# Allegro board rt1064_som_wifi.brd (continued)
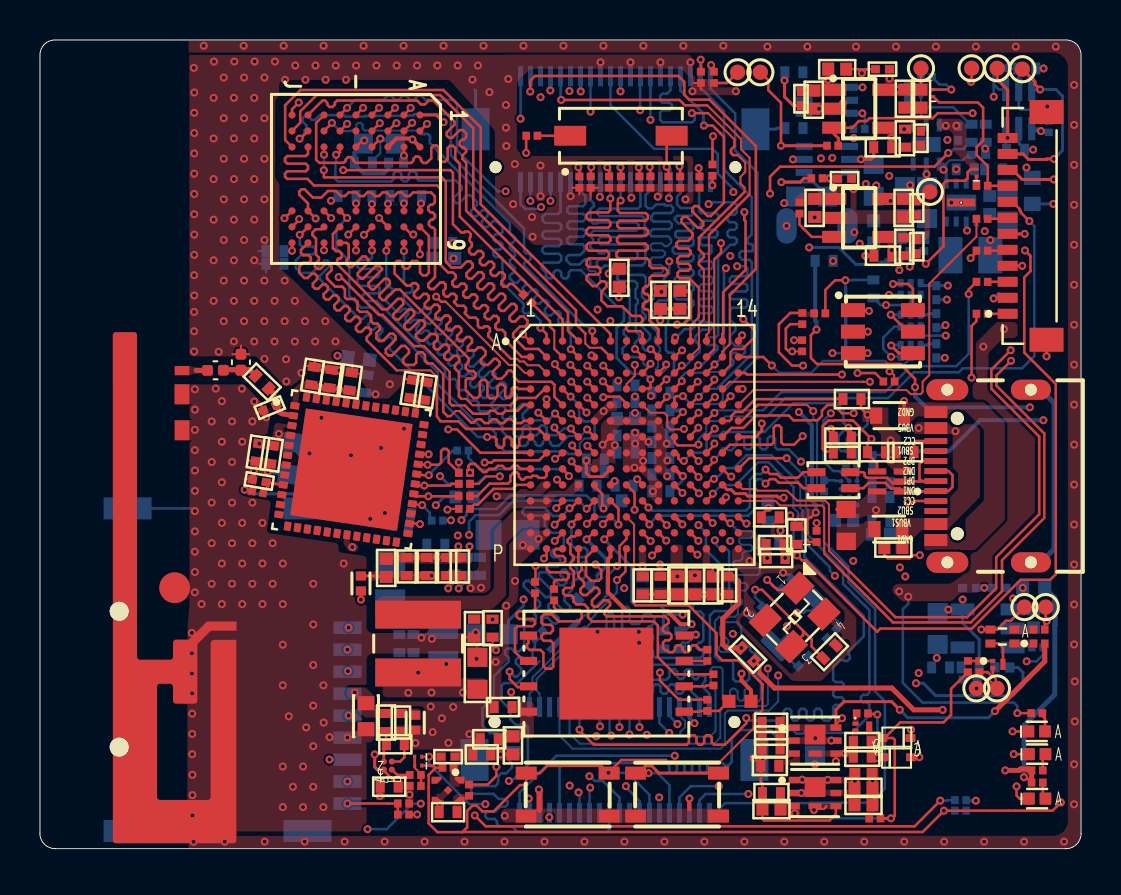
[diagram p0: board, top side]
## Routing (per net, layer and track width the routed paths; a pad name or vN(x,y) marks a point on that pad's centre or on a via; arc(x,y) is an arc through that point) (continued)
USB_OTG1_DN: length 11
  TOP w0.127: v1(36.31,18.27) 36.53,18.49 36.79,18.49 36.97,18.31 37.93,18.31 38.21,18.04 L6.2
  TOP w0.147: v1(30.5,16.23) 30.5,16.28 30.17,16.61 U3.M8
  BOTTOM w0.127: v1(36.31,18.27) 36.08,18.49 35.9,18.49 35.78,18.37 35.78,17 35.44,16.66 30.88,16.66 v1(30.5,16.23)
USB_OTG1_DP: length 10.9
  TOP w0.127: v1(30.45,17.07) 30.45,17.11 U3.L8 ; L6.3 38.21,18.84 37.93,18.57 37.07,18.57 36.89,18.75 36.53,18.75 v1(36.31,18.97)
  BOTTOM w0.127: v1(30.45,17.07) 30.62,16.92 35.33,16.92 35.52,17.1 35.52,18.47 35.8,18.75 36.08,18.75 v1(36.31,18.97)
USB_OTG1_ID: length 13.8
  TOP w0.127: v1(32.22,19.4) 32.21,19.4 32.2,19.39 32.08,19.39 31.95,19.52 31.95,19.7 31.84,19.81 U3.H10
  TOP w0.15: R49.2 40.6,20.85 40.51,20.94 40.51,20.99 40.46,21.03 40.46,21.07 v1(40.46,21.07)
  BOTTOM w0.127: Q5.1 40.09,19.9 39.96,20.02 39.96,20.66 ; 39.85,22.3 37.7,22.3 36.26,20.86 35.66,20.86 35.65,20.85 34.17,20.85 33.99,20.67 33.93,20.67 33.91,20.66 33.54,20.66 33.36,20.47 33.36,19.97 33.2,19.82 32.63,19.82 v1(32.22,19.4)
  BOTTOM w0.15: 39.85,22.3 40.2,21.95 40.2,21.33 v1(40.46,21.07) 40.46,20.94 40.24,20.94 39.96,20.66
USB_OTG2_DN: length 10.8
  TOP w0.119: v1(28.87,14.14) 29,14.27 29,15.15 29.35,15.5 U3.N7
  BOTTOM w0.102: U24.1 26.67,10.83 26.34,10.5 26.34,10.32 26.21,10.13 24.65,8.57 24.65,7.91 24.5,7.77 J6.3
  BOTTOM w0.119: v1(28.87,14.14) 28.36,13.62 28.36,12.66 27.53,11.84 27.53,11.79 27.41,11.67 27.23,11.67 U24.1
USB_OTG2_DP: length 9.8
  TOP w0.119: U3.P7 29.3,14.96 29.3,13.87 v1(28.87,13.44)
  BOTTOM w0.102: J6.5 25,7.77 24.85,7.91 24.85,8.49 26.37,10 26.51,10.2 27.02,10.72 27.02,10.76
  BOTTOM w0.119: 27.02,10.76 27.59,11.32 27.59,11.5 27.78,11.69 27.78,11.73 28.87,12.83 28.87,12.89 28.87,12.89 28.87,13.19 28.87,13.19 v1(28.87,13.44)
USER_BUTTON: length 52.6
  TOP w0.127: U3.L6 28.95,17.01 v1(28.95,16.22) ; v1(45.05,2.4) 43.76,1.12 22.3,1.12 v1(21.76,1.66)
  SIG1 w0.102: v1(21.76,1.66) 21.12,2.3 21.12,6.46 21.57,6.91 21.57,8.74 21.25,9.06 21.25,11.37 22.32,12.44 22.66,12.78 22.66,15.63 22.22,16.08 21.46,16.08 v1(21.09,16.44)
  BOTTOM w0.127: v1(45.05,2.4) 45.4,2.4 45.43,2.42 R42.2 ; v1(21.09,16.44) 21.34,16.69 21.34,16.84 21.5,17 22.86,17 23.53,17.68 27.35,17.68 27.74,17.28 27.74,16.69 27.83,16.61 28.56,16.61 v1(28.95,16.22)
USER_LED: length 60.4
  TOP w0.127: 49.49,4.74 D5.C v1(48.73,4.73) ; U3.L5 v1(27.36,17.01)
  SIG1 w0.102: 22.24,12.69 22.44,12.88 22.44,13.18 22.43,13.32 22.22,13.54
  SIG1 w0.11: 43.1,0.84 19.22,0.84
  SIG1 w0.127: 22.22,13.54 22.13,13.62 22.13,15.4 21.83,15.7 v1(21.47,15.7) ; 19.22,0.84 18.08,1.98 18.08,2.92 18.42,3.25 20.57,3.25 20.88,3.57 20.88,6.69 21.05,6.86 21.05,7.41 20.77,7.7 20.77,11.35 22.1,12.69 22.24,12.69 ; v1(48.73,4.73) 48.73,4.38 48.73,4.37 48.73,3.67 48.37,3.3 46.47,3.3 46.12,2.95 46.12,1.57 45.39,0.84 43.9,0.84 43.9,0.84 43.1,0.84 43.1,0.84
  BOTTOM w0.127: v1(21.47,15.7) 21.47,16.36 21.8,16.69 22.97,16.69 23.7,17.42 26.33,17.42 26.34,17.43 26.66,17.43 26.67,17.42 26.96,17.42 v1(27.36,17.01)
VLDO_3V3: length 5.6
  TOP w0.127: C37.1 44.08,32.42 TP31.1
  SIG1 w0.2: v1(39.69,29.41) 39.69,30.46 41.65,32.42 v1(42.56,32.42)
VSD_3V3: length 1.6
  TOP w0.127: 17.21,4.36 17.21,5.1 C121.1 17.32,5.24 FB3.1
WDOG_B: length 22.2
  TOP w0.127: v1(45.45,34.82) 44.77,34.13 37.83,34.13 37.83,34.13 37.03,34.13 36.53,33.63 v1(36.53,32.78) ; U3.D14 v1(35.16,23.01)
  SIG1 w0.127: v1(36.53,32.78) 36.53,24.74 35.16,23.37 v1(35.16,23.01)
  BOTTOM w0.127: C246.1 46.55,35.36 46.2,35.01 45.73,35.01 45.53,34.82 v1(45.45,34.82)
WL_EN_RST: length 1.5
  TOP w0.127: R537.2 11.17,17.87 11.38,18.08 11.38,18.28 11.33,18.33
  TOP w0.15: U27.9 11.33,18.33 C251.2
N3228024: length 12.2
  TOP w0.127: R87.2 39.65,19.88 39.29,19.88 39.17,20 39.17,21.15 39.44,21.42 39.73,21.42 39.74,21.44 40.56,21.44 40.57,21.43 40.69,21.43 v1(41.61,20.51) 41.41,20.31 R536.1 41.41,19.77 41.89,19.28 U19.4 ; J2.4 43.82,17.4 43.77,17.35 v1(43.42,17.35)
  SIG1 w0.127: v1(41.61,20.51) 41.61,19.91 43.7,17.82 43.7,17.64 v1(43.42,17.35)
N3228437: length 0.9
  BOTTOM w0.127: U11.A3 39.8,18.4 39.76,18.43 R86.1
N3229246: length 2.4
  TOP w0.127: U20.1 32.99,6.85 33.03,6.89 R101.2 33.98,6.89 R97.2
N3229250: length 6.2
  TOP w0.127: R105.2 24.78,11.99 24.66,11.88 23.97,11.88 23.85,11.77 23.85,11.61 23.97,11.5 24.66,11.5 24.78,11.39 24.78,11.26 24.65,11.13 23.9,11.13 23.77,11 23.77,9.84 24.22,9.39 U20.6
N3232179: length 8
  TOP w0.127: D13.C 44.71,37.64 45,37.35 46.93,37.35 47.2,37.08 47.2,35.44 46.87,35.11 46.87,34.71 47.43,34.16 R106.2 48.41,33.18 J4.9
N3234922: length 1
  TOP w0.127: U5.B1 17.88,3.69 R35.2
N3234942: length 1.6
  TOP w0.102: D10.A 18.75,4.05 19.06,3.73 R35.1
  TOP w0.127: R34.2 R35.1 ; D10.A D9.A
N3235464: length 3.1
  TOP w0.127: R78.1 R77.2 17.4,2.26 17.4,2.26 v1(15.39,2.26)
N3236913: length 20.6
  TOP w0.127: R74.2 23.66,28.26 23.5,28.26 23.36,28.13 23.2,28.13 23.09,28.24 23.09,28.4 23.26,28.57 23.26,28.72 23.15,28.83 22.99,28.83 22.82,28.67 22.66,28.67 22.55,28.78 22.55,28.93 22.72,29.1 22.72,29.26 22.61,29.37 22.45,29.37 22.28,29.2 22.13,29.2 22.01,29.32 22.01,29.47 22.18,29.64 22.18,29.8 22.07,29.91 21.91,29.91 21.74,29.74 21.59,29.74 21.47,29.86 21.47,30.01 21.61,30.15 21.61,30.31 21.51,30.41 21.51,30.57 21.55,30.61 21.55,30.77 21.44,30.88 21.28,30.88 21.24,30.84 21.08,30.84 20.66,31.26 20.66,33.83 20.54,33.96 v1(15.18,33.96) ; U9.F2 v1(15.37,36.28)
  SIG1 w0.127: v1(15.37,36.28) 15.37,35.72 15.26,35.61 14.54,35.61 14.43,35.5 14.43,35.34 14.54,35.23 15.26,35.23 15.51,34.98 15.51,34.64 15.18,34.31 v1(15.18,33.96)
N3241258: length 1.6
  TOP w0.127: R56.2 SW3.1
N3244969: length 6.6
  TOP w0.127: U3.F13 34.51,21.41 34.6,21.5 34.6,21.66 34.8,21.86 35.15,21.86 35.79,22.5 39.79,22.5 39.79,22.5 R51.1
N3245357: length 7.7
  TOP w0.102: R544.1 21.52,18.26 21.96,18.26 22.33,18.63 v1(23.01,18.63)
  TOP w0.127: U3.J4 26.6,19.35 v1(26.6,19.39)
  SIG1 w0.102: 25.87,19.11 26.15,19.39 v1(26.6,19.39)
  SIG1 w0.127: v1(23.01,18.63) 23.49,19.11 25.87,19.11
  BOTTOM w0.127: v1(23.01,18.63) 22.26,18.63 21.88,18.25 R52.2
N3245365: length 4
  TOP w0.127: U3.J1 24.05,19.01 23.9,19.16 23.67,19.16 23.52,19.01 23.29,19.01 23.14,19.16 22.91,19.16 22.76,19.01 22.48,19.01 22.33,18.85 22.18,18.85 21.77,19.25 21.54,19.25 21.45,19.17 21.45,18.88 v1(21.52,18.81)
N3251546: length 11.7
  TOP w0.127: U3.P9 30.95,14.99 v1(30.63,14.67)
  SIG1 w0.127: v1(30.63,14.67) 31.4,14.67 32.34,13.74 32.34,13.41 32.58,13.17 33.45,13.17 34.33,12.28 36.19,12.28 37.33,11.14 v1(37.38,11.14)
  BOTTOM w0.127: C73.1 37.88,9.09 ; 37.88,9.09 37.88,9.07 ; 37.88,9.09 X2.2 37.38,10.69 v1(37.38,11.14)
N3251555: length 11.6
  TOP w0.127: U3.N9 v1(31.34,15.42)
  SIG1 w0.127: 31.59,15.17 32.62,14.14 33.02,14.14 34.61,12.56 37.12,12.56 37.76,11.91 37.77,11.91 v1(37.88,11.81)
  SIG1 w0.13: 31.59,15.17 31.58,15.17 v1(31.34,15.42)
  BOTTOM w0.127: C72.1 39.95,11.09 39.95,11.33 X2.1 38.6,11.91 38.33,11.91 38.23,11.81 v1(37.88,11.81)
N3251584: length 7.6
  TOP w0.127: X1.1 37.83,12.96 36.91,12.96 36.82,13.05 36.79,13.05 36.67,13.17 36.67,13.17 v1(36.39,13.45)
  TOP w0.13: U3.N11 v1(32.95,15.41)
  SIG1 w0.127: 32.93,15.43 v1(32.95,15.41) 33.2,15.15 33.22,15.15 33.35,15.03 34.25,15.03 35.82,13.45 v1(36.39,13.45)
  BOTTOM w0.127: C71.1 37.03,12.91 36.93,12.91 v1(36.39,13.45)
N3251626: length 11.2
  TOP w0.127: R46.1 38.61,10.11 38.61,10.48 38.19,10.9 ; U3.P11 32.57,15.01 32.78,14.8 32.8,14.8 32.88,14.71 v1(32.9,14.71) ; v1(35.79,12.96) 36.13,12.96 38.19,10.9 ; 38.19,10.9 38.19,10.7 X1.3
  SIG1 w0.127: v1(35.79,12.96) 35.35,12.96 33.6,14.72 33.19,14.72 33.19,14.71 v1(32.9,14.71)
  BOTTOM w0.127: C70.1 36.21,12.17 35.79,12.59 v1(35.79,12.96)
N3253889: length 0.5
  TOP w0.127: R41.1 38.49,15.35 D11.C
N3260107: length 1.8
  TOP w0.102: 43.02,24.77 43,24.77 42.98,24.8
  TOP w0.15: D16.6 42.98,24.8 v1(42.59,25.18)
  BOTTOM w0.15: v1(42.59,25.18) 42.62,25.21 U23.4
N3260173: length 2
  TOP w0.127: 43.42,25.88 v1(42.57,26.72)
  TOP w0.15: D16.4 43.42,25.88
  BOTTOM w0.15: U22.4 v1(42.57,26.72)
N3260253: length 2.6
  TOP w0.127: 42.87,28.26 43.44,28.26 43.68,28.02 43.68,27.06
  TOP w0.15: v1(42.69,28.26) 42.87,28.26 ; 43.68,27.06 D16.2
  BOTTOM w0.15: U21.4 42.73,28.31 v1(42.69,28.26)
N3260286: length 1.4
  TOP w0.127: D16.1 41.43,26.95 41.47,26.91 v1(41.48,26.91)
  BOTTOM w0.102: v1(41.48,26.91) 41.47,26.91 41.43,26.95 R128.2
N3260301: length 1.3
  TOP w0.127: D16.3 v1(41.43,25.88)
  BOTTOM w0.102: R129.1 v1(41.43,25.88)
N3260305: length 1.3
  TOP w0.15: D16.5 v1(41.41,24.8)
  BOTTOM w0.102: R130.1 v1(41.41,24.8)
N3260493: length 2.5
  TOP w0.127: U6.3 38.62,30.62 38,31.23 R37.2
N3285554: length 3
  TOP w0.127: v1(41.9,6.71) 41.87,6.75 41.45,6.75 R6.1
  TOP w0.15: v1(41.91,4.54) 41.94,4.57 D3.C
  BOTTOM w0.127: v1(41.9,6.71) 41.9,6.36 41.91,6.35 v1(41.91,4.54)
N3285558: length 13.8
  TOP w0.102: 39.27,2.06 39.35,2.14 39.35,2.1 39.24,1.98 38.78,1.98 v1(38.73,1.93)
  TOP w0.127: Q1.4 v1(39.83,4.38) ; Q2.4 39.83,1.72 39.51,1.41 36.23,1.41 36.14,1.5 36.14,1.97 C7.1 ; D1.C 43.59,5.56 v1(43.59,5.95)
  SIG1 w0.127: v1(40.28,4.77) 41.05,5.54 43.18,5.54 v1(43.59,5.95) ; v1(38.73,1.93) 39.54,1.93 40.08,2.47 40.08,4.12 v1(39.83,4.38)
N3285956: length 1.2
  TOP w0.13: R12.2 R13.1 Q4.1
N3286038: length 1.5
  TOP w0.13: 47.56,10.27 47.98,10.27 48.19,10.06 Q4.3
N3286190: length 2.5
  BOTTOM w0.127: D8.C 45.7,37.1 46.55,36.26 C246.2
N3286273: length 1.3
  BOTTOM w0.102: C19.1 43.91,38.16 D6.C R25.2
N3296758: length 2.3
  BOTTOM w0.127: U17.5 v1(37.68,34.5) ; 40.26,36.8 U18.3 v1(41.15,36.8) 41.15,36.75 41.27,36.63 R122.2
N3361650: length 2.1
  TOP w0.102: U27.2 12.64,21.68 arc(12.64,21.68) 12.64,21.68
  TOP w0.254: 12.64,21.68 12.13,21.77 arc(12.02,21.82) 11.94,21.92 C154.2 11.74,22.41 arc(11.7,22.54) 11.7,22.66 arc(11.69,22.77) 11.63,22.86 L16.1
N3365178: length 1.6
  TOP w0.127: R535.1 43.74,20.31 43.83,20.4 J2.10
N3365194: length 0.7
  TOP w0.15: L7.2 v1(43.24,22.41)
N3447898: length 5.2
  TOP w0.127: U3.J2 25.35,18.66 25.25,18.56 24.97,18.56 24.87,18.66 24.64,18.66 24.57,18.59 24.33,18.59 24.22,18.48 24.09,18.48 23.97,18.61 23.97,18.74 23.88,18.83 23.7,18.83 23.54,18.66 23.54,18.39 23.43,18.27 23.17,18.27 23.16,18.27 22.5,18.27 21.87,17.64 R539.1
N3448052: length 7.3
  TOP w0.127: U3.H2 24.98,19.44 22.72,19.44 22.61,19.32 v1(22.25,19.32)
  SIG1 w0.102: v1(20.57,16.43) 20.92,16.79 20.94,16.79 21.89,17.74 21.89,18.96 v1(22.25,19.32)
  BOTTOM w0.102: v1(20.57,16.43) 20.55,16.42 R540.1
N3448060: length 3.5
  TOP w0.127: 24.55,18.22 U3.K1 23.85,18.21 23.65,18.01 22.7,18.01 21.91,17.22 21.72,17.22 21.52,17.02 R541.1
N3448078: length 6.3
  TOP w0.127: v1(26.47,18.64) 26.47,18.68 U3.J3
  BOTTOM w0.127: 21.44,19.93 21.44,19.56 22.04,18.96 22.1,18.96 22.1,18.96 22.82,18.96 22.86,19 26.12,19 v1(26.47,18.64)
N3454761: length 0.6
  TOP w0.254: 7.81,23.94 7.87,23.94 7.88,23.93 C3114.2 ; ANT1.1 7.11,23.93
N3455307: length 1.8
  TOP w0.254: C3114.1 9.21,23.97 10.03,23.97 10.06,23.95 10.11,23.95 10.13,23.97 10.49,23.97 L16.2
N32273571: length 1
  TOP w0.127: D14.A 50.29,6.51 50.16,6.65 50.16,6.78
N32304790: length 0.5
  TOP w0.127: D12.C 46.86,33.65 R106.1
N32572571: length 0.9
  TOP w0.127: 50.32,2.5 50.18,2.64 R24.2
N32597351: length 0.9
  TOP w0.127: R132.2 50.18,4.6 50.32,4.73 50.32,4.74

## Copper pours and planes (outline as drawn; the poured copper is in the pictures)
5V_EXT on TOP: 41.04,4.05 41.04,1.89 41.05,1.88 40.52,1.88 40.51,1.9 40.51,2.46 40.45,2.6 40.31,2.66 40.11,2.66 40.1,2.65 39.25,2.65 39.25,2.62 38.32,2.62 38.32,2.65 37.47,2.65 37.47,2.95 38.17,2.95 38.28,2.99 38.32,3.1 38.32,3.12 38.28,3.23 38.17,3.27 37.47,3.27 37.47,3.28 37.47,3.6 39.77,3.6 40.31,3.6 40.45,3.66 40.51,3.8 40.51,4.05 ; 1 cut-out
5V_EXT on BOTTOM: 40.52,36.23 40.93,36.23 40.93,35.33 40.94,35.33 40.94,34.96 40.09,34.96 40.09,35.33 40.32,35.33 40.46,35.39 40.52,35.53
5V_EXT on BOTTOM: 38.02,3.61 39.55,3.61 39.55,3.29 39.38,3.29 39.27,3.25 39.23,3.14 39.23,3.09 39.27,2.99 39.38,2.94 39.56,2.94 39.56,2.61 38.01,2.61 38.01,2.94 38.25,2.94 38.36,2.99 38.4,3.09 38.4,3.14 38.36,3.25 38.25,3.29 38.02,3.29
5V_EXT on POWER: 40.28,35.83 41.22,35.83 42.82,34.23 49.04,34.23 49.04,31.26 49.07,31.19 49.08,31.12 49.08,8.24 49.06,8.13 48.99,8.03 45,4.04 44.91,3.98 44.79,3.95 42.34,3.95 42.13,3.87 42.04,3.65 42.04,3.47 41.79,3.22 40.91,3.22 40.89,3.23 39,3.23 38.89,3.21 38.79,3.14 38.23,2.58 37.99,2.58 37.84,2.73 37.84,3.5 37.93,3.71 38.14,3.79 38.73,3.79 38.85,3.82 38.94,3.88 40.23,5.17 40.56,5.17 40.68,5.19 40.78,5.26 40.82,5.3 40.89,5.4 40.91,5.52 40.91,6.56 41.02,6.67 42.71,6.67 47.25,11.21 47.25,31.38 47.27,31.4 47.27,32.61 47.03,32.85 46.67,32.85 46.66,32.84 41.55,32.84 40.2,34.19 40.2,35.76
5V_SYS on TOP: 39.13,39.35 39.74,39.35 39.74,38.28 40.34,38.28 40.34,38.28 40.34,37.68 40.33,37.66 37.88,37.66 37.88,37.67 37.88,38.12 38.05,38.28 39.13,38.28
5V_SYS on BOTTOM: 39.17,39.36 39.74,39.36 39.74,38.37 39.76,38.3 39.8,38.23 39.92,38.11 39.96,38.05 39.98,37.97 39.98,33.74 40.04,33.6 40.18,33.54 40.2,33.54 40.27,33.51 40.3,33.44 40.3,33.18 40.32,33.11 40.36,33.04 40.86,32.55 40.9,32.48 40.91,32.41 40.91,31.54 40.93,31.48 40.94,31.42 40.94,30.85 40.99,30.71 41.13,30.65 42.05,30.65 42.05,30.64 42.05,30.2 41.99,30.06 41.85,30 40.47,30 40.08,30.39 40.07,30.4 39.29,31.18 39.25,31.25 39.23,31.32 39.23,31.77 39.17,31.91 39.03,31.97 38.92,31.97 38.92,33.33 38.91,33.41 38.86,33.47 38.84,33.49 38.82,33.53 38.81,33.56 38.81,35.56 38.75,35.7 38.61,35.76 38.41,35.76 38.41,35.34 38.42,35.33 38.66,35.33 38.67,35.33 38.67,34.97 38.66,34.97 37.81,34.97 37.81,34.97 37.81,35.33 37.94,35.33 37.97,35.35 37.97,36.36 37.97,36.36 38.41,36.36 38.41,36.36 39.06,36.36 39.2,36.42 39.26,36.56 39.26,37.56 39.2,37.7 39.06,37.75 37.82,37.75 37.81,37.76 37.81,38.28 37.95,38.28 37.95,39.17 38.42,39.17 38.42,38.28 38.66,38.28 38.66,38.28 39.13,38.28 39.13,39.33
5V_SYS on BOTTOM: 26.85,12.53 26.9,12.54 26.92,12.54 26.94,12.53 27.01,12.45 27.01,12 27,11.92 26.95,11.86 26.05,10.95 26,10.89 25.99,10.81 25.99,10.42 25.96,10.3 25.9,10.2 25.05,9.35 25.02,9.33 24.99,9.32 24.94,9.33 24.93,9.38 24.93,9.89 24.95,10 25.01,10.1 26.83,11.91 26.87,11.98 26.89,12.05 26.89,12.4 26.85,12.44 26.84,12.46 26.83,12.48
5V_SYS on POWER: 44.01,38.2 44.1,38.41 44.31,38.5 51.14,38.5 51.29,38.35 51.36,38.28 51.39,38.18 51.39,1.46 51.17,0.93 50.64,0.71 7.37,0.71 7.37,2.64 11.37,2.64 11.55,2.67 11.71,2.78 12.57,3.64 12.73,3.74 12.91,3.78 24.19,3.78 24.22,3.8 24.26,3.81 37.72,3.81 37.72,2.69 37.99,2.41 38.3,2.41 38.94,3.05 41.85,3.05 42.08,3.28 42.15,3.38 42.17,3.49 42.17,3.51 42.26,3.72 42.47,3.81 44.82,3.81 45.01,3.85 45.17,3.96 49.17,7.96 49.21,8.02 49.23,8.1 49.27,31.61 49.18,31.61 49.18,34.09 49.27,34.09 49.27,34.12 49.21,34.26 49.07,34.32 46.35,34.32 46.29,34.33 46.24,34.35 43.16,34.35 41.47,36.04 40.2,36.04 39.91,35.75 39.91,33.96 41.25,32.62 44.17,32.62 44.53,32.26 44.53,31.57 44.55,31.57 44.53,31.56 44.53,31.49 44.4,31.36 44.4,31.22 44.38,31.11 44.31,31.01 43.45,30.15 43.35,30.08 43.24,30.06 41.07,30.06 40.95,30.08 40.85,30.15 40.38,30.62 40.32,30.7 40.3,30.8 40.15,30.95 40.15,31.45 39.74,31.86 37.62,31.86 37.04,32.45 37.04,37.05 38.48,38.5 41.65,38.5 42.57,37.58 44.01,37.58 44.01,37.9 44.01,37.91
5V_USB_OTG on TOP: 41.44,18.03 42.35,18.03 42.35,18.03 42.35,17.24 42.34,17.19 42.34,16.93 42.32,16.84 42.27,16.76 42.24,16.73 42.16,16.68 42.07,16.66 41.41,16.66 41.25,16.63 41.1,16.55 39.83,16.55 39.83,17.08 39.84,17.08 39.84,17.38 39.86,17.4 40.86,17.4 41.05,17.44 41.21,17.55 41.44,17.78
5V_USB_OTG on TOP: 47.81,26.3 47.88,26.34 47.95,26.36 48.7,26.36 48.77,26.34 48.84,26.3 48.87,26.27 48.91,26.21 48.93,26.13 48.93,25.78 48.91,25.7 48.87,25.63 48.85,25.62 48.78,25.57 48.71,25.56 48.34,25.56 48.22,25.53 48.13,25.47 47.55,24.89 47.48,24.79 47.46,24.68 47.46,22.86 49.78,20.54 49.78,16.84 49.02,16.08 47.74,14.7 47.72,13.32 47.5,12.82 46.18,12.8 46.08,12.78 45.99,12.73 45.68,12.46 45.59,12.4 45.48,12.38 43.25,12.38 43.14,12.4 43.04,12.47 42.72,12.78 42.67,12.85 42.66,12.93 42.66,12.97 42.75,13.17 42.96,13.26 45.47,13.26 45.56,13.27 45.65,13.31 46.18,13.69 46.2,13.7 46.41,13.82 46.52,13.93 46.56,14.08 46.57,14.69 46.83,14.94 48.32,16.44 48.3,20.69 48.31,20.69 48.31,21.38 47.21,22.46 46.97,22.46 46.76,22.55 46.67,22.76 46.67,23.09 46.69,23.21 46.76,23.3 46.83,23.38 46.83,25.19 46.85,25.31 46.92,25.41
5V_USB_OTG on BOTTOM: 40.39,17.66 40.42,17.73 40.5,17.76 40.54,17.76 40.61,17.73 40.64,17.66 40.64,17.48 40.68,17.37 40.79,17.33 40.98,17.33 41.03,17.31 41.06,17.25 41.06,17.24 41.08,17.18 41.14,17.16 41.4,17.16 41.92,17.16 41.92,17.16 42.01,17.11 42.05,17.01 42.05,16.89 42.01,16.79 41.92,16.74 41.92,15.53 41.92,15.53 41.92,14.48 41.93,14.4 41.97,14.33 43.4,12.91 43.47,12.87 43.54,12.85 43.56,12.85 43.66,12.81 43.71,12.7 43.71,12.52 43.66,12.42 43.56,12.37 43.22,12.37 43.15,12.39 43.08,12.43 41.45,14.06 41.4,14.13 41.39,14.21 41.39,16.42 41.4,16.43 41.4,16.74 40.99,16.74 40.99,16.12 40.98,16.11 40.39,16.11 40.39,16.11
5V_USB_OTG on BOTTOM: 41.23,32.18 42.22,32.17 42.22,33.05 42.21,33.08 42.19,33.12 42.01,33.3 41.95,33.34 41.87,33.36 41.55,33.36 41.47,33.37 41.41,33.42 41.03,33.79 41.01,33.83 41,33.86 41,33.93 40.97,34 40.9,34.03 40.09,34.03 40.09,33.68 40.1,33.67 40.64,33.67 41.17,33.13 41.21,33.07 41.23,32.99
5V_USB_OTG on SIG1: 40.67,35.89 40.67,33.58 40.69,33.51 40.73,33.44 41.38,32.8 41.44,32.75 41.52,32.74 42.26,32.74 42.3,32.78 42.35,32.85 42.36,32.92 42.36,33.2 42.35,33.27 42.3,33.34 41.69,33.95 41.64,34.02 41.63,34.09 41.63,35.99 41.64,36.06 41.69,36.13 42,36.44 42.04,36.5 42.05,36.58 42.05,37.78 42.04,37.86 42,37.92 41.55,38.37 41.49,38.41 41.41,38.43 40.88,38.43 40.74,38.37 40.68,38.23 40.68,38.11 40.69,38.04 40.73,37.97 40.95,37.76 41.02,37.71 41.09,37.7 41.27,37.7 41.34,37.68 41.41,37.64 41.49,37.56 41.53,37.49 41.55,37.42 41.55,36.85 41.53,36.77 41.49,36.71
5V_USB_OTG on POWER: 42.99,13.09 43.62,13.09 43.76,13.03 43.82,12.89 43.82,12.57 43.76,12.44 43.62,12.38 42.82,12.38 35.64,12.38 35.46,12.34 35.3,12.24 35.15,12.08 35.04,11.93 35,11.74 35,10.76 34.95,10.62 34.8,10.56 34.68,10.56 34.54,10.62 34.49,10.76 34.49,12.47 34.65,12.63 34.8,12.73 34.99,12.77 42.38,12.77 42.56,12.81 42.72,12.91 42.87,13.06 42.9,13.08 42.94,13.09
5V_USB_OTG on GND3: 40.46,38.21 40.52,38.35 40.66,38.41 41.4,38.41 41.54,38.35 41.6,38.21 41.6,34.79 41.61,34.71 41.66,34.65 42.61,33.7 47.31,33.7 47.37,33.69 47.42,33.67 48.14,33.67 48.35,33.58 48.44,33.37 48.44,26.63 48.53,26.42 48.74,26.33 48.79,26.33 48.93,26.19 48.93,25.71 48.78,25.56 48.35,25.56 48.24,25.54 48.14,25.47 47.55,24.88 47.45,24.82 47.34,24.79 47.27,24.79 47.06,24.88 46.97,25.09 46.97,30.43 46.72,30.67 46.72,31.26 46.97,31.51 46.97,32.63 45.8,32.63 45.8,32.61 41.65,32.61 41.58,32.62 41.51,32.67 40.52,33.66 40.48,33.72 40.46,33.8
5V_VIN on BOTTOM: 48.12,13.39 49.47,13.39 49.49,13.38 49.49,12.75 49.49,12.75 49.27,12.75 49.27,12.27 50.04,12.27 50.04,11.67 48.76,11.67 48.76,11.68 48.12,11.68 48.12,11.68
GND on TOP: 35.91,6.6 36.36,6.6 36.36,3.85 35.91,3.85 35.91,4.19 35.86,4.3 35.76,4.34 35.65,4.34 35.54,4.39 35.5,4.49 35.5,4.58 35.54,4.69 35.65,4.73 35.76,4.73 35.86,4.78 35.91,4.88
GND on TOP: 6.81,21.45 6.81,20.44 7.97,20.44 7.97,21.45
GND on TOP: 21.4,10.91 22.05,10.91 22.05,10.08 22.14,10.08 22.14,9.09 21.45,9.09 21.4,9.1
GND on TOP: 16.74,5.61 16.65,5.4 16.44,5.31 13.93,5.31 13.93,5.8 15.6,5.8 15.81,5.88 15.9,6.1 15.9,6.21 16.74,6.21
GND on TOP: 32.87,38.51 33.93,38.51 33.93,38.13 33.96,38.1 34.88,38.1 35.02,37.96 35.02,37.83 34.9,37.71 32.69,37.71 32.57,37.73 32.47,37.8 32.45,37.82 32.45,37.85 32.48,37.97 32.54,38.06 32.86,38.38 32.87,38.38
GND on TOP: 41.56,22.08 42.15,22.08 42.15,22.07 42.45,22.07 42.45,21.23 43.07,20.62 43.07,19.53 43.58,19.02 43.65,19.02 43.65,18.73 43.64,18.72 42.74,18.72 42.72,18.73 42.72,18.92 42.08,19.56 42.08,20.73 41.85,20.96 41.85,20.96 41.55,21.26 41.55,21.37 41.15,21.37 41.15,21.97 41.55,21.97 41.55,22.06
GND on TOP: 7.44,40.44 51.35,40.44 51.86,40.23 52.07,39.72 52.07,0.75 51.86,0.24 51.35,0.03 7.44,0.03 7.44,0.64 24.93,0.64 24.93,0.64 50.69,0.64 51.22,0.86 51.44,1.39 51.44,39.09 51.22,39.62 50.69,39.84 7.44,39.84
GND on TOP: 20.42,3.14 20.42,3.14 20.64,2.92 20.64,2.92 20.22,2.5 20.22,1.56 20.18,1.52 19.83,1.52 19.84,1.52 19.84,2.75 19.84,2.75 20.03,2.75
GND on TOP: 24.89,2.05 24.94,2.08 25,2.1 25.08,2.07 25.14,2 32.39,2 32.43,2.05 32.49,2.07 32.53,2.07 32.56,2.04 32.6,2 34.42,2 34.42,1.3 23.31,1.3 23.16,1.36 23.11,1.5 23.11,1.8 23.16,1.94 23.31,2 24.84,2
GND on TOP: 29.83,13.06 34.7,13.06 34.7,12.41 29.83,12.41
GND on TOP: 25.15,18.42 25.49,18.42 25.57,18.33 25.57,18.16 25.17,17.76 25.07,17.7 24.96,17.68 24.41,17.68 24.31,17.57 24.21,17.5 24.09,17.48 22.76,17.48 22.72,17.52 22.72,17.74 22.8,17.82 23.87,17.82 24.05,18 24.74,18
GND on TOP: 24.51,16.01 25.38,16.01 25.49,15.97 25.53,15.86 25.51,15.71 25.46,15.65 25.44,15.63 24.82,15.01 24.81,15 24.07,14.27 24.03,14.22 23.97,14.13 23.94,14.01 23.94,12.88 23.94,12.42 23.48,11.96 23.48,11.03 23.48,10.99 23.48,10.02 23.48,10.02 23.48,9.63 23.47,9.55 23.42,9.49 23.34,9.41 23.34,9.4 23.15,9.21 23.11,9.15 23.09,9.07 23.09,7.48 23.06,7.41 22.99,7.38 22.95,7.38 22.95,6.79 22.62,6.79 22.31,6.47 22.26,6.4 22.25,6.33 22.25,5.18 22.25,5.18 22.04,5.18 21.88,5.01 21.88,5.01 21.88,4.44 21.87,4.42 21.44,4.42 21.43,4.41 21.19,4.41 20.55,4.41 20.54,4.42 20.54,4.84 20.54,4.87 20.51,4.91 20.49,4.93 20.46,4.95 20.42,4.96 18.46,4.96 18.46,4.94 18.45,4.93 18.01,4.93 18.01,5.42 17.98,5.49 17.91,5.52 17.86,5.52 17.79,5.55 17.76,5.62 17.76,6.06 17.77,6.1 17.83,6.16 17.86,6.16 19.08,6.16 19.12,6.17 19.15,6.19 19.22,6.26 19.24,6.29 19.25,6.33 19.25,6.93 19.19,7.07 19.05,7.13 17.19,7.13 17.06,7.25 17.19,7.37 22.34,7.37 22.48,7.43 22.54,7.57 22.54,9.44 22.55,9.44 22.55,9.96 22.56,10.04 22.6,10.1 22.65,10.15 22.72,10.19 22.79,10.21 22.87,10.21 23.02,10.27 23.08,10.42 23.08,12.14 23.1,12.22 23.15,12.29 23.42,12.57 23.47,12.63 23.48,12.71 23.48,13.11 23.49,13.11 23.49,14.21 23.48,14.21 23.48,15.16 23.5,15.24 23.55,15.31 24.12,15.88 24.26,15.97 24.44,16.01
GND on TOP: 37.87,37.41 37.87,36.97 37.88,36.97 38.27,36.97 38.27,36.97 38.4,36.84 38.4,36.74 40.34,36.74 40.35,36.74 40.35,37.34 40.34,37.35 38.34,37.35 38.27,37.42 37.88,37.42
GND on TOP: 36.76,16.9 37.2,16.9 37.22,16.88 37.22,15.63 37.47,15.63 37.55,15.62 37.61,15.58 37.73,15.46 38.15,15.46 38.15,15.45 38.15,15.01 38.15,15 37.71,15 37.57,14.94 37.51,14.8 37.51,14.33 37.5,14.33 37.5,14.25 37.04,14.25 37.04,15.2 37.04,15.22 36.63,15.63 36.59,15.7 36.57,15.77 36.57,16.15 36.59,16.23 36.63,16.29 36.71,16.37 36.75,16.43 36.76,16.51
GND on TOP: 7.48,23.24 10.13,23.24 10.21,23.22 10.28,23.18 10.82,22.61 10.82,22.61 11.23,22.17 11.38,21.81 11.51,21.51 11.4,20.87 11.32,20.74 11.17,20.71 10.77,20.77 10.62,20.73 10.54,20.6 10.41,19.67 10.87,19.61 11.52,19.48 11.36,18.76 10.85,18.82 10.73,18.25 10.37,18.31 10.29,18.28 10.29,17.64 11.38,17.45 11.51,17.37 11.54,17.22 11.44,16.48 11.36,16 11.4,15.86 11.53,15.78 14.77,15.3 14.9,15.23 14.94,15.08 14.93,15.04 14.97,14.89 15.1,14.81 16.18,14.65 16.3,14.59 16.35,14.46 16.35,11.09 16.43,10.88 16.65,10.79 22,10.79 22.01,10.77 22.01,10.11 22.37,9.75 22.37,9.32 22.3,9.25 21.65,9.25 21.65,9.49 21.39,9.76 16.65,9.76 16.43,9.67 16.35,9.46 16.35,0.86 7.38,0.86 7.38,10.88 7.48,12.26
GND on TOP: 6.81,23.24 6.81,22.24 7.97,22.24 7.97,23.24
GND on TOP: 35.02,15.17 35.07,15.17 36.15,14.09 37.67,14.09 37.74,14.16 37.8,14.2 37.88,14.22 38.13,14.22 38.21,14.2 38.27,14.16 38.38,14.05 39.32,13.11 39.31,13.11 40.76,11.66 40.83,11.57 40.85,11.45 40.85,10.3 40.83,10.19 40.76,10.09 40.73,10.06 40.7,10 40.65,9.94 40.42,9.72 39.66,8.95 39.66,8.95 39.28,8.58 39.27,8.57 39.18,8.47 39.08,8.41 38.97,8.39 37.77,8.39 37.66,8.41 37.56,8.47 37.51,8.52 37.5,8.54 37.09,8.95 34.92,11.12 34.86,11.2 34.84,11.29 34.84,11.49 34.86,11.58 34.92,11.66 35.21,11.95 35.21,13.7 35.18,13.73 34.71,14.2 34.65,14.3 34.63,14.41 34.63,14.82 34.65,14.94 34.71,15.04 34.85,15.17 ; 2 cut-outs
GND on TOP: 23.32,39.74 32.17,39.74 32.17,39.74 32.4,39.74 32.47,39.72 32.54,39.68 32.59,39.63 32.63,39.56 32.65,39.49 32.65,39.3 32.65,39.3 32.65,39.03 32.65,39.03 32.65,38.86 32.67,38.75 32.74,38.65 32.88,38.51 33.27,38.51 33.27,38 33.12,37.85 32.64,37.85 32.58,37.91 32.58,38.43 32.56,38.54 32.49,38.64 32.18,38.95 32.09,39.01 31.97,39.03 24.66,39.03 24.55,39.01 24.45,38.95 23.96,38.45 23.89,38.36 23.87,38.24 23.87,37.42 23.87,37.39 23.86,37.35 23.86,35.11 23.88,34.99 23.95,34.89 24.17,34.67 27.22,34.67 27.22,34.67 30.86,34.67 30.87,34.67 30.99,34.67 31.14,34.61 31.19,34.47 31.19,34.14 31.19,34.14 31.19,32.69 31.03,32.52 30.99,32.5 30.95,32.49 30.86,32.49 30.79,32.52 30.76,32.59 30.76,32.71 30.77,32.75 30.79,32.78 30.9,32.88 30.92,32.92 30.93,32.95 30.93,34.36 30.9,34.43 30.82,34.46 29.79,34.46 29.72,34.43 29.69,34.36 29.69,32.44 29.66,32.37 29.59,32.34 29.53,32.34 29.46,32.37 29.43,32.44 29.43,34.35 29.4,34.43 29.32,34.46 28.27,34.46 28.2,34.43 28.17,34.36 28.17,32.52 28.14,32.45 28.07,32.42 27.94,32.42 27.91,32.45 27.91,34.35 27.88,34.43 27.81,34.45 27.22,34.45 27.22,34.45 26.96,34.45 26.88,34.44 26.81,34.4 26.68,34.26 26.69,34.25 26.69,33.26 27.07,33.27 27.64,33.27 27.64,32.65 27.55,32.44 27.34,32.35 27.22,32.35 27.01,32.26 26.92,32.05 26.92,30.7 26.77,30.35 26.42,30.2 24.91,30.2 24.72,30.24 24.55,30.35 22.92,31.98 22.82,32.14 22.78,32.33 22.76,35.83 22.74,35.94 22.69,36.03 20.58,38.38 20.48,38.45 20.36,38.48 12.27,38.48 12.06,38.39 11.97,38.18 11.97,37.83 11.96,37.74 11.92,37.66 11.82,37.5 11.78,37.43 11.77,37.34 11.77,33.65 11.78,33.56 11.83,33.47 11.92,33.35 11.96,33.27 11.98,33.17 11.98,33.1 11.98,33.1 11.98,32.33 11.98,32.31 11.96,29.23 11.99,29.1 12.06,29 12.64,28.49 17.41,23.84 17.5,23.78 17.59,23.75 18.41,23.67 18.41,23.71 18.43,23.71 19.67,23.53 19.61,23.09 18.54,23.25 18.23,23.25 18.18,23.23 18.13,23.2 17.51,22.58 17.44,22.54 17.37,22.52 16.72,22.52 16.67,22.53 16.56,22.61 16.49,22.63 16.44,22.64 16.37,22.67 16.35,22.75 16.37,22.93 16.36,23.01 16.33,23.07 16,23.5 15.94,23.55 15.87,23.57 15.54,23.62 15.37,23.93 13.38,23.93 13.36,23.82 13.34,23.75 13.29,23.7 12.65,23.19 12.59,23.16 12.53,23.15 12.31,23.15 12.23,23.17 12.17,23.21 10.88,24.57 10.82,24.62 10.74,24.63 7.67,24.63 7.53,24.69 7.47,24.83 7.47,38.1 7.47,38.1 7.47,39.73 23.32,39.73
GND on TOP: 13.45,24.37 13.38,23.93 15.87,23.56 15.94,24.01
GND on TOP: 40.4,33.74 40.81,33.74 40.86,33.69 40.86,31.95 44.04,31.95 44.05,31.94 44.05,31.63 43.7,31.27 39.88,31.27 39.83,31.32 38.43,31.32 38.44,31.33 38.44,31.86 40.46,31.86 40.56,31.97 40.56,33.33 40.39,33.33 40.39,33.34 40.39,33.72
GND on TOP: 33.2,32.89 33.2,33.27 26.79,33.27 26.79,32.89
GND on BOTTOM: 7.47,39.73 22.07,39.73 22.15,39.72 22.22,39.67 22.43,39.46 22.47,39.39 22.49,39.32 22.49,35.74 22.24,35.49 21.11,35.49 21.11,36.42 21.11,36.43 21.11,37.42 21.1,37.5 21.05,37.56 20.71,37.91 20.64,37.95 20.57,37.97 11.76,37.97 11.69,37.95 11.62,37.91 11.51,37.79 11.47,37.73 11.45,37.65 11.45,30.29 11.56,30.17 11.56,29 11.52,28.96 11.71,28.77 11.81,28.71 11.92,28.69 12.56,28.69 12.68,28.66 12.77,28.6 12.99,28.39 13.08,28.32 13.2,28.3 13.66,28.3 13.78,28.28 13.87,28.21 18.31,23.77 18.37,23.77 18.61,23.54 18.65,23.47 18.67,23.4 18.67,23.29 18.65,23.24 18.62,23.19 18.61,23.18 18.58,23.16 18.54,23.15 18.31,23.15 18.25,23.14 18.2,23.1 18.15,23.05 18.12,23.01 18.1,22.95 18.1,22.85 18.09,22.79 18.06,22.75 17.99,22.67 17.94,22.64 17.88,22.63 16.21,22.63 16,22.84 16,22.86 16.17,23.03 16.34,23.03 16.43,22.94 16.77,22.94 16.83,22.95 16.87,22.98 16.98,23.09 17.02,23.14 17.03,23.2 17.03,24.74 16.95,24.82 14.98,25.08 14.87,25.07 14.77,25.02 14.7,24.97 14.61,24.88 14.58,24.76 14.56,24.58 14.58,24.45 14.66,24.33 14.82,24.19 14.86,24.16 14.91,24.15 15.04,24.14 14.98,23.73 14.85,23.72 13.66,23.9 13.21,23.79 13.08,23.04 13.15,22.86 14.58,22.66 14.63,22.43 14.59,22.17 14.27,21.94 13.94,21.94 13.76,21.77 13.75,21.48 13.71,21.21 13.35,20.89 12.51,21.01 12.44,21.2 11.74,21.2 11.63,21.09 11.63,19.72 12.1,19.25 12.94,19.25 12.94,18.11 12.89,18.05 10.18,18.05 9.97,17.85 9.97,17.81 7.6,17.81 7.47,17.95
GND on BOTTOM: 29.89,12.96 32.28,12.96 32.28,12.95 33.99,12.95 33.99,12.5 31.6,12.5 31.6,12.5 29.89,12.5
GND on BOTTOM: 37.36,13.7 37.55,13.89 38.13,13.31 38.23,13.26 38.34,13.31 38.38,13.35 38.42,13.37 38.46,13.38 38.78,13.38 38.92,13.36 39.04,13.28 40.21,12.07 40.72,11.56 40.76,11.49 40.78,11.42 40.78,10.97 40.76,10.89 40.72,10.83 39.73,9.84 39.65,9.81 39.58,9.84 39.37,10.05 38.88,9.56 38.86,9.51 38.88,9.46 39,9.34 39.04,9.29 39.05,9.22 39.04,9.16 39,9.1 38.36,8.46 38.2,8.35 38.02,8.32 37.96,8.32 37.77,8.35 37.62,8.46 35.56,10.51 35.49,10.62 35.46,10.75 35.46,11.68 35.49,11.75 35.56,11.78 35.64,11.78 35.68,11.77 35.71,11.75 36.13,11.33 36.2,11.3 36.28,11.33 37.72,12.77 37.78,12.91 37.72,13.05 37.21,13.55 37.21,13.56 37.36,13.7 ; 1 cut-out
GND on BOTTOM: 28.02,19.25 28.66,19.25 28.66,18.7 28.72,18.56 28.86,18.5 28.9,18.5 29,18.46 29.05,18.35 29.05,18.13 29.06,18.05 29.11,17.99 29.33,17.77 29.33,17.11 28.81,17.11 28.81,17.71 28.75,17.85 28.61,17.91 27.94,17.91 27.88,17.9 27.83,17.87 27.65,17.87 27.65,18.47 27.81,18.47 27.96,18.53 28.02,18.68
GND on BOTTOM: 24.52,16.02 25,16.02 25,15.19 24.82,15.02 24.82,15.01 24.09,14.28 23.99,14.13 23.95,13.94 23.95,13.18 23.92,13.11 23.85,13.08 23.62,13.08 23.48,13.13 23.42,13.28 23.42,14.76 23.43,14.76 23.43,14.98 23.46,15.17 23.57,15.33 24.12,15.88 24.27,15.98 24.45,16.01
GND on BOTTOM: 30.84,2.57 30.88,2.68 30.99,2.72 31,2.72 31.11,2.68 31.15,2.57 31.15,1.38 31.21,1.24 31.35,1.18 32.12,1.18 32.27,1.24 32.32,1.38 32.32,2.42 32.37,2.53 32.47,2.57 32.55,2.57 32.66,2.53 32.7,2.42 32.7,1.1 32.64,0.96 32.5,0.9 29.56,0.9 29.42,0.96 29.36,1.1 29.36,2.08 29.39,2.15 29.46,2.18 29.53,2.18 29.6,2.15 29.63,2.08 29.63,1.38 29.69,1.24 29.83,1.18 30.64,1.18 30.78,1.24 30.84,1.38
GND on BOTTOM: 19.13,15.51 19.59,15.51 19.59,14.27 19.13,14.27 19.13,14.27 18.06,14.27 18.06,13.57 16.91,13.57 16.91,14.88 18.06,14.88 18.93,14.88 19.07,14.94 19.13,15.08
GND on BOTTOM: 43.8,35.62 45.02,35.62 45.02,35.62 46.15,35.62 46.15,35.31 45.02,35.31 45.02,34.91 43.8,34.91
GND on BOTTOM: 12.22,17.54 13.74,17.54 13.74,17.53 14.58,17.53 14.58,16.46 13.89,16.46 13.79,16.41 13.74,16.31 13.74,14.53 13.75,14.53 13.75,7.21 13.74,7.21 13.74,1.45 14.63,1.45 14.63,0.28 3.2,0.28 3.2,1.39 12.22,1.39 12.22,1.59 7.48,1.59 7.48,16.3 7.48,16.3 7.48,17.53 12.22,17.53
GND on BOTTOM: 30.14,23.51 30.14,23.24 30.2,23.1 30.34,23.04 30.75,23.04 30.89,22.98 30.95,22.84 30.95,17.59 30.53,17.59 30.53,18.74 30.45,18.92 30.28,18.99 29.94,18.99 29.76,19.06 29.69,19.24 29.69,20.98 29.69,20.98 29.46,21.21 29.45,21.21 29.45,23.51
GND on BOTTOM: 26.31,3.27 26.33,3.34 26.4,3.37 26.61,3.37 26.68,3.34 26.71,3.27 26.71,3.08 26.7,3.04 26.68,3.01 26.64,2.97 26.62,2.93 26.61,2.9 26.61,1.29 26.67,1.22 26.75,1.17 26.84,1.15 27.62,1.15 27.71,1.17 27.79,1.22 27.87,1.31 27.87,2.02 27.88,2.02 28.12,2.02 28.12,1.27 27.92,1.07 27.85,1.02 27.75,1 26.73,1 26.64,1.02 26.56,1.07 26.37,1.26 26.37,2.88 26.37,2.92 26.34,2.95 26.33,2.96 26.31,3 26.31,3.03
GND on BOTTOM: 25.09,39.58 25.12,39.6 25.16,39.61 32.57,39.61 32.64,39.58 32.67,39.51 32.67,38.18 32.68,38.13 32.71,38.08 32.83,37.96 32.83,37.85 32.8,37.82 32.6,37.82 32.46,37.96 32.44,37.99 32.43,38.03 32.43,39.3 32.4,39.37 32.33,39.4 31.29,39.4 31.22,39.37 31.19,39.3 31.19,38.09 31.16,38.07 30.92,38.07 30.92,39.28 30.89,39.35 30.82,39.38 29.78,39.38 29.71,39.35 29.68,39.28 29.68,37.99 29.65,37.92 29.58,37.89 29.52,37.89 29.45,37.92 29.42,37.99 29.42,39.27 29.39,39.33 29.33,39.36 28.3,39.36 28.23,39.33 28.2,39.26 28.2,37.92 28.17,37.85 28.1,37.82 28.02,37.82 27.95,37.85 27.92,37.92 27.92,39.25 27.89,39.32 27.82,39.35 26.78,39.35 26.71,39.32 26.68,39.25 26.68,37.76 26.65,37.69 26.58,37.66 26.51,37.67 26.46,37.69 26.43,37.75 26.43,37.92 26.43,39.25 26.4,39.32 26.33,39.35 25.41,39.35 25.38,39.34 25.34,39.32 25.24,39.22 25.22,39.18 25.21,39.15 25.21,37.63 25.22,37.63 25.22,35.8 25.21,35.8 25.21,34.78 25.24,34.71 25.31,34.68 27.21,34.68 30.86,34.68 30.86,34.68 32.49,34.68 32.63,34.63 32.69,34.48 32.69,32.47 32.63,32.33 32.49,32.27 32.32,32.27 32.25,32.28 32.18,32.33 32.17,32.34 32.13,32.4 32.11,32.48 32.11,32.56 32.4,32.84 32.4,34.27 32.34,34.41 32.2,34.47 31.39,34.47 31.25,34.41 31.19,34.27 31.19,34.16 31.19,34.15 31.19,32.7 31.02,32.53 30.99,32.51 30.95,32.5 30.85,32.5 30.78,32.53 30.75,32.6 30.75,32.72 30.76,32.76 30.78,32.79 30.89,32.89 30.91,32.93 30.92,32.97 30.92,34.37 30.89,34.44 30.82,34.47 29.78,34.47 29.71,34.44 29.68,34.37 29.68,32.45 29.65,32.38 29.58,32.35 29.52,32.35 29.45,32.38 29.42,32.45 29.42,34.37 29.39,34.44 29.32,34.47 28.26,34.47 28.19,34.44 28.16,34.37 28.16,32.53 28.13,32.46 28.06,32.43 27.93,32.43 27.9,32.46 27.9,34.37 27.87,34.44 27.8,34.47 27.21,34.47 26.95,34.46 26.87,34.45 26.81,34.41 26.68,34.27 26.68,34.26 26.68,32.52 26.42,32.52 26.41,32.53 26.41,33.73 26.42,33.74 26.42,34.36 26.39,34.44 26.32,34.46 25.31,34.46 25.24,34.44 25.21,34.36 25.21,32.55 24.89,32.55 24.89,35.65 24.84,35.75 24.74,35.8 21.09,35.8 21.09,36.7 23.57,36.7 23.67,36.65 23.72,36.55 23.72,36.38 23.76,36.27 23.87,36.23 24.74,36.23 24.84,36.27 24.89,36.38 24.89,39.34 24.9,39.38 24.92,39.41
GND on BOTTOM: 19.42,11.8 20.94,11.8 20.94,11.39 21.02,11.18 21.24,11.09 21.85,11.09 21.98,11.04 22.05,10.92 22.06,10.91 22.06,10.54 21.83,10.31 19.52,10.31 19.39,10.44 18.44,10.44 18.39,10.5 18.39,10.94 19.42,10.94